# KiCad board servo.kicad_pcb (continued)
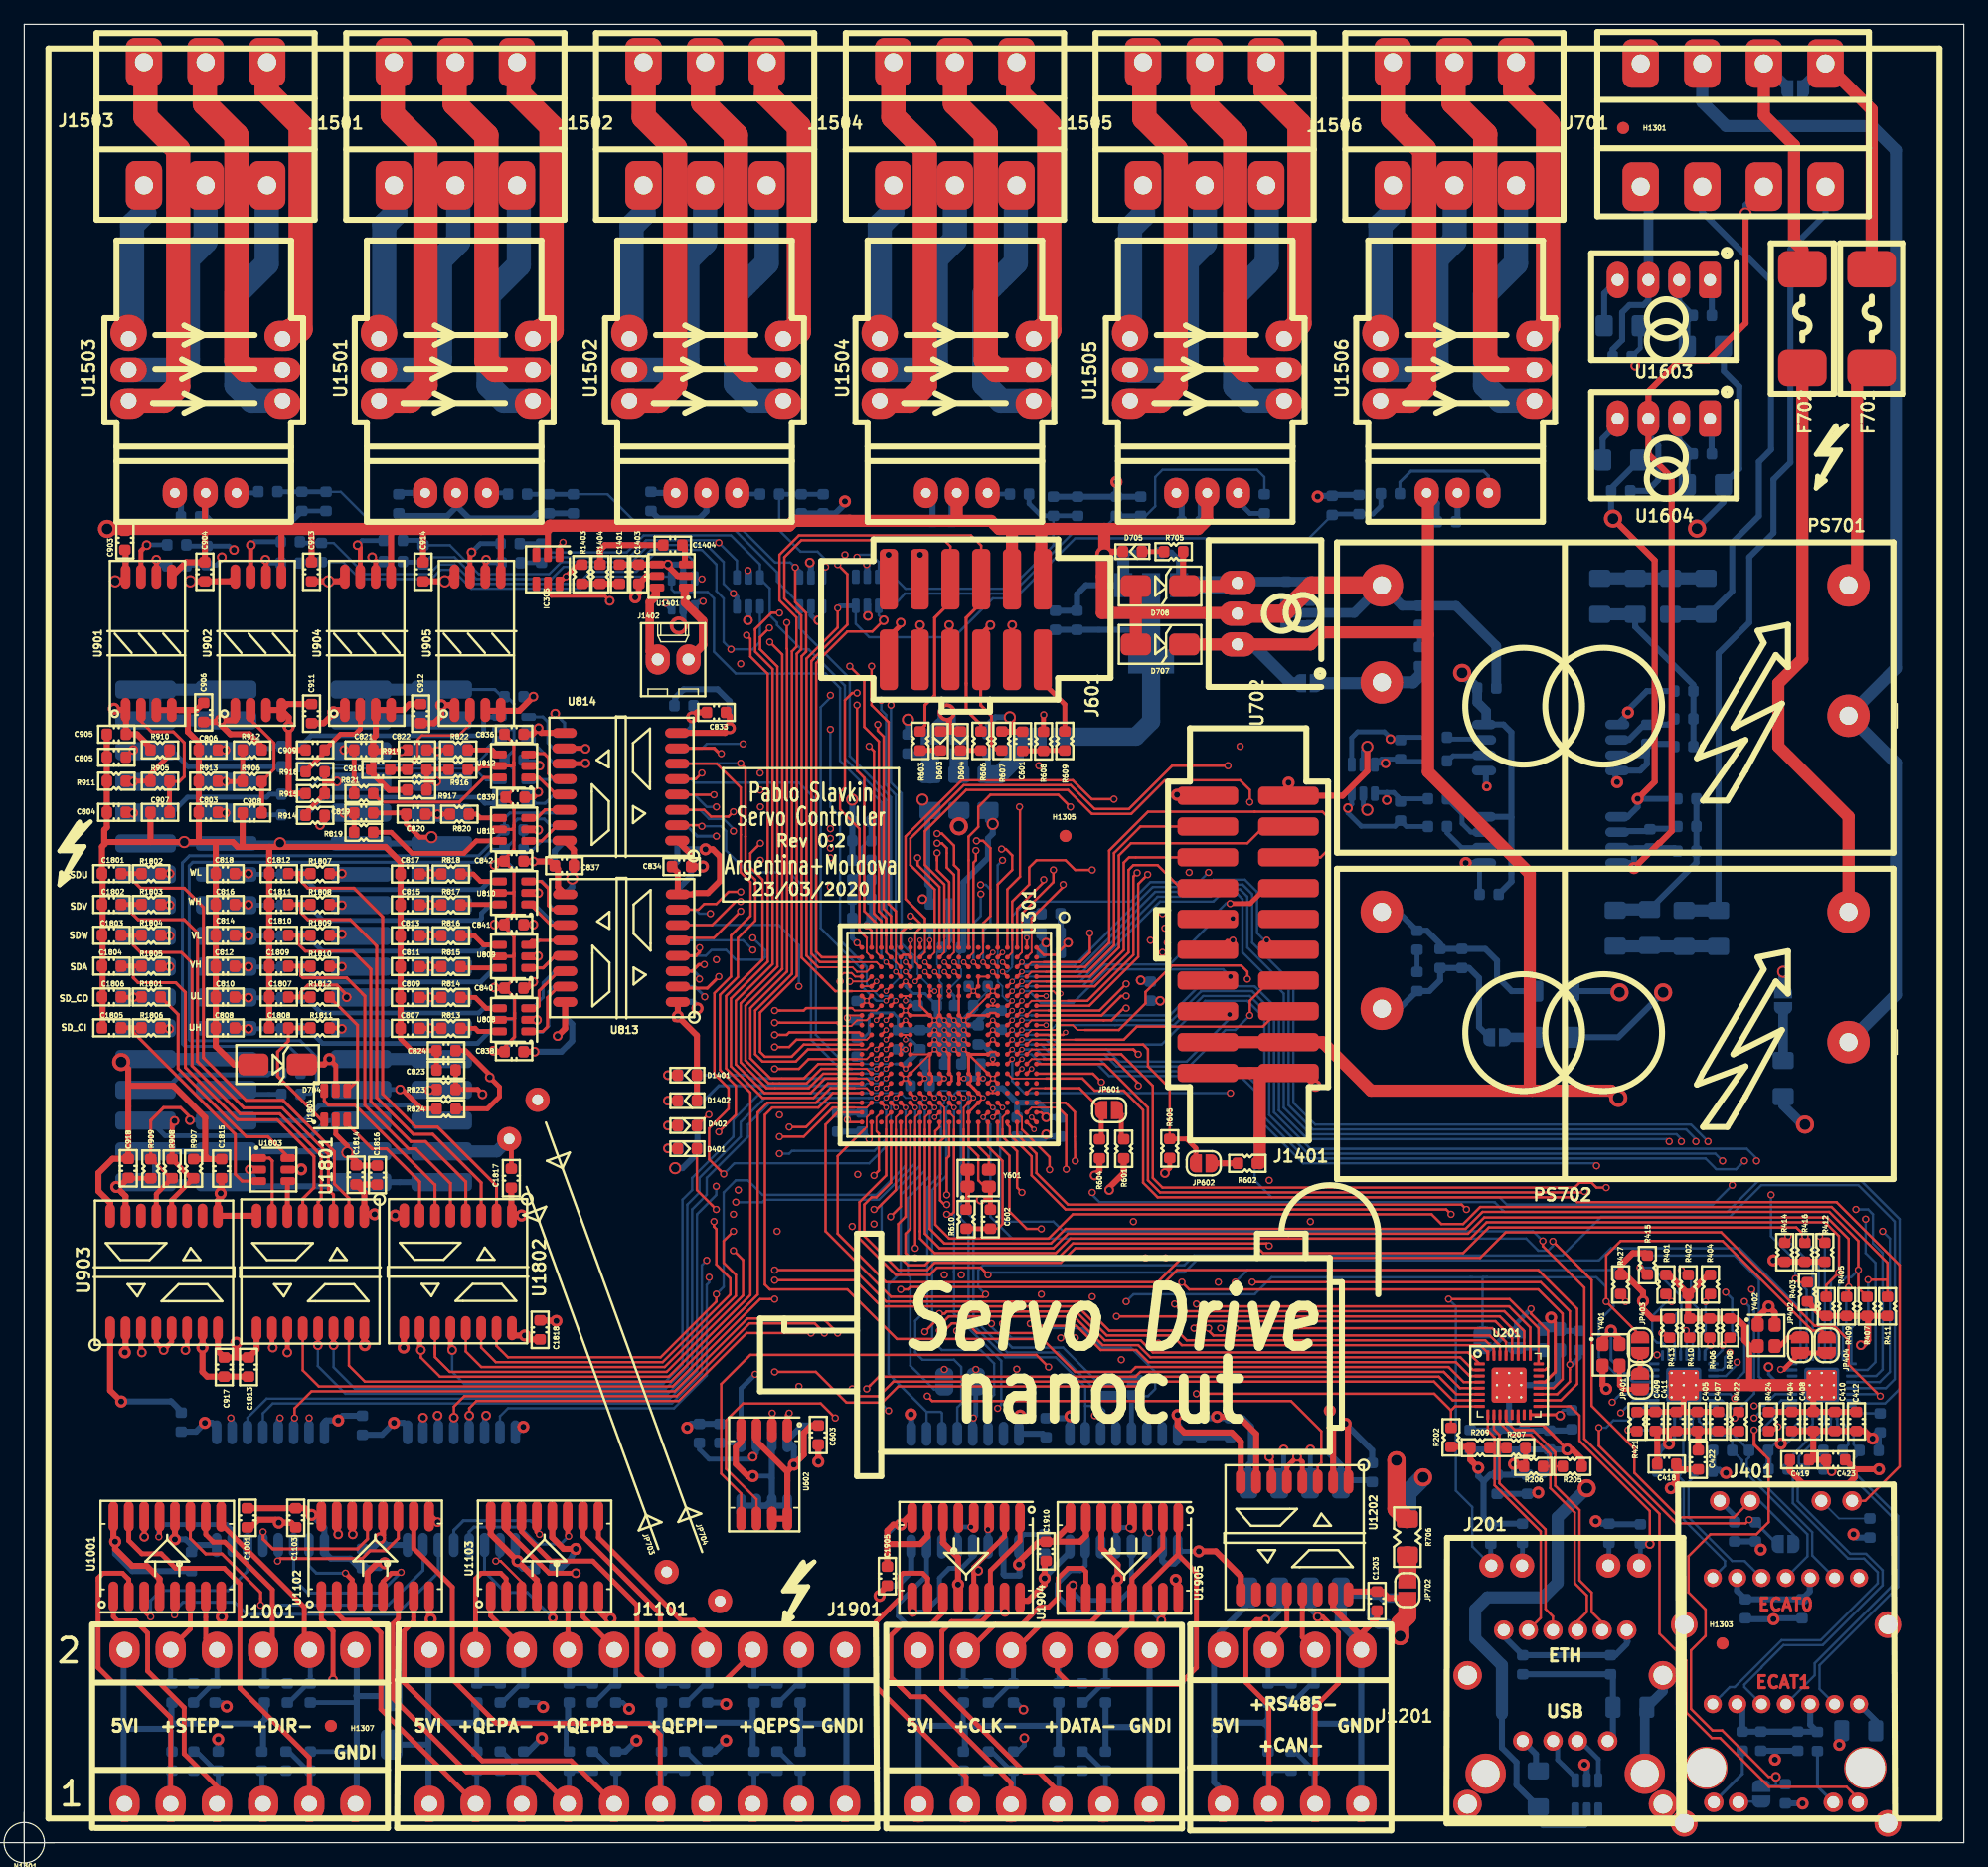
[diagram p0: board, top side]
## Routing (per net, layer and track width the routed paths; a pad name or vN(x,y) marks a point on that pad's centre or on a via; arc(x,y) is an arc through that point) (continued)
  Top w0.25: v5(56.1,72.44) 55.66,72.44 55.1,71.89 U813.3
  In2.Cu w0.152: 67.9,69.84 69.9,69.84 70.7,69.04 73.1,69.04 73.7,69.64 76.7,69.64 78.1,71.04 78.9,71.04 79.1,70.84 80.7,70.84 80.9,70.64 85.22,70.64 85.5,70.36 v2(85.5,70.04)
  In2.Cu w0.2: 67.9,69.84 66.9,69.84 64.53,72.21 56.33,72.21 v5(56.1,72.44)
IGBT2_UL_H: length 2.5
  Top w0.4: C809.2 R814.1
  Bottom w0.152: 34.3,69.72 34.3,69.72 33.64,69.72
  vias: v4(33.5,69.73)
IGBT2_VH: length 46.1
  Top w0.152: 79.1,74.24 79.1,73.44 U301.G2
  Top w0.2: 79.1,74.24 79.1,75.84 79.7,76.44 79.7,82.04 79.1,82.64 v5(78.55,82.64)
  Top w0.25: U813.4 53.94,73.17 55.43,73.17 55.71,73.45 v5(55.71,73.82)
  In2.Cu w0.2: v5(55.71,73.82) 55.71,78.45 58.9,81.64 61.9,81.64 65.3,85.04 75.3,85.04 75.7,85.44 78.1,85.44 78.7,84.84 78.7,83.21 78.55,83.06 v5(78.55,82.64)
IGBT2_VH_H: length 2.5
  Top w0.4: C811.2 R815.1
  Bottom w0.152: J1705.16 34.3,72.26 34.3,72.26
  vias: v4(33.5,72.27)
IGBT2_VL: length 33.7
  Top w0.2: U301.G3 v2(78.3,72.64) ; U813.5 54.14,74.64 56.9,74.64 v5(59.1,76.84)
  Top w0.25: 53.96,74.46 U813.5
  In2.Cu w0.2: v5(78.91,78.26) 77.88,78.26 77.1,79.04 67.7,79.04 66.9,78.24 63.9,78.24 62.5,76.84 v5(59.1,76.84)
  Bottom w0.2: v5(78.91,78.26) 78.9,78.25 78.9,76.44 78.3,75.84 v2(78.3,72.64)
IGBT2_VL_H: length 2.5
  Top w0.4: C813.2 R816.1
  Bottom w0.152: 34.3,74.88 33.72,74.88 J1705.18
  vias: v4(33.5,74.82)
IGBT2_WH: length 41.4
  Top w0.152: U301.B2 83.1,73.44 83.1,75.24
  Top w0.2: v5(59.1,77.64) 58.7,77.64 56.76,75.7 U813.6 ; 83.1,75.24 83.1,76.24 85.7,78.84 v5(85.7,79.04)
  In2.Cu w0.2: v5(59.1,77.64) 62.7,77.64 64.9,79.84 79.3,79.84 80.5,78.64 85.3,78.64 v5(85.7,79.04)
IGBT2_WH_H: length 2.9
  Top w0.4: C815.2 R817.1
  Bottom w0.152: 34.7,77.45 34.6,77.34 J1705.20
  vias: v4(33.5,77.36)
IGBT2_WL: length 38.4
  Top w0.2: U813.7 55.63,76.97 56.1,77.44 57.1,77.44 58.1,78.44 v5(59.1,78.44) ; v5(84.1,79.44) 84.1,79.24 81.9,77.04 U301.C1
  Top w0.25: 53.94,76.95 U813.7
  In2.Cu w0.2: v5(84.1,79.44) 80.7,79.44 79.9,80.24 64.7,80.24 62.9,78.44 v5(59.1,78.44)
IGBT2_WL_H: length 2.5
  Top w0.4: C817.2 R818.1
  Bottom w0.152: J1705.22 33.66,79.91 34.3,79.91
  vias: v4(33.5,79.91)
IGBT_ALARM1: length 59.1
  Top w0.2: v5(76.1,53.44) 76.1,56.44 76.3,56.64 U301.K19
  In2.Cu w0.2: v5(58.9,53.84) 59.9,53.84 60.3,53.44 v5(76.1,53.44)
  In3.Cu w0.2: v5(58.5,83.44) 58.2,83.14 58.2,75.54 59.1,74.64 59.1,54.44 59.08,54.44 58.9,54.26 v5(58.9,53.84)
  Bottom w0.2: v5(58.5,83.44) 58.5,83.64 57.7,84.44 56.5,84.44 55.77,85.17 U802.6
IGBT_ALARM1_H: length 11
  Bottom w0.152: 20.26,63.47 20.22,63.44
  Bottom w0.4: J1704.7 10.82,62.11 11.66,62.11 12.9,63.35 20.09,63.35 20.21,63.47 R811.2
IGBT_ALARM2: length 63.1
  Top w0.2: U301.P17 v2(73.5,60.64)
  Top w0.25: v5(57.5,89.84) 57.36,89.84 56.92,90.28 U814.7
  In3.Cu w0.2: v5(57.5,89.84) 57.5,89.42 57.7,89.22 57.7,75.01 58.7,74.01 58.7,54.71 58.3,54.31 58.3,53.24 v5(58.7,52.84)
  Bottom w0.2: 58.5,52.83 60.89,52.83 61.1,53.04 70.5,53.04 73.5,56.04 v2(73.5,60.64)
IGBT_ALARM2_H: length 6.1
  Top w0.4: R824.1 32.78,60.54 31.18,62.14 v4(31,62.14)
  Bottom w0.4: v4(31,62.14) 28.63,62.14 J1705.7
LCD_AUDIO: length 99.2
  Top w0.2: v5(99.7,76.24) 99.66,76.2 J1401.9 ; v5(69.7,90.44) 70.1,90.04 70.1,76.64 70.7,76.04 U301.U1
  Top w0.25: R1403.1 45.69,105.43 ; v5(44.7,104.44) 44.65,104.44
  Top w0.4: 45.69,105.43 v5(44.7,104.44) ; 44.65,104.44 44.15,103.94
  In2.Cu w0.2: v5(44.7,104.44) 50.3,104.44 51.7,103.04 51.7,102.04 52.14,101.6 54.74,101.6 57.1,99.24 57.1,96.64 63.3,90.44 v5(69.7,90.44) 70.1,90.04 86.1,90.04 86.5,90.44 v5(100.3,90.44)
  In3.Cu w0.2: v5(100.3,90.44) 100.5,90.24 100.5,77.04 v5(99.7,76.24)
LCD_GPIO0: length 20.9
  Top w0.152: 84.1,72.64 83.1,72.64 U301.B3
  Top w0.2: J1401.11 99.22,74.44 v5(99.7,74.44) ; 84.1,72.64 87.1,72.64 87.9,73.44 v5(87.9,75.04)
  In2.Cu w0.2: v5(87.9,75.04) 93.3,75.04 93.5,74.84 98.5,74.84 98.9,74.44 v5(99.7,74.44)
LCD_GPIO1: length 29.1
  Top w0.2: U301.C3 v2(82.3,72.64) ; v5(102.5,74.44) 102.71,74.44 J1401.12
  Bottom w0.2: v2(82.3,72.64) 82.53,72.41 86.67,72.41 93.1,78.84 97.5,78.84 98.1,79.44 100.7,79.44 101.7,78.44 101.7,75.04 102.3,74.44 v5(102.5,74.44)
LCD_GPIO2: length 20.8
  Top w0.2: U301.C6 v2(82.3,70.24) ; v5(99.5,71.44) 98.76,71.44 J1401.13
  Bottom w0.2: v5(99.5,71.44) 98.9,72.04 89.3,72.04 86.5,69.24 83.9,69.24 82.9,70.24 v2(82.3,70.24)
LCD_GPIO3: length 27.1
  Top w0.152: 103.49,71.09 J1401.14
  Top w0.2: U301.D11 v2(81.5,66.24) ; v5(101.1,68.24) 101.1,69.44 102.78,71.12 J1401.14
  Bottom w0.152: 83.1,65.84 81.9,65.84 v2(81.5,66.24)
  Bottom w0.2: v5(101.1,68.24) 99.9,67.04 99.1,67.04 96.1,64.04 90.1,64.04 89.1,65.04 84.7,65.04 83.9,65.84 83.1,65.84
LCD_GPIO4: length 21.4
  Top w0.2: U301.C11 v2(82.3,66.24)
  Top w0.25: v5(99.43,68.31) 99.16,68.58 J1401.15
  Bottom w0.2: v2(82.3,66.24) 84.3,66.24 85.1,65.44 89.3,65.44 90.3,64.44 95.9,64.44 99.43,67.97 v5(99.43,68.31) 99.37,68.31
LCD_GPIO5: length 21.9
  Top w0.152: U301.B11 83.1,66.24 86.69,66.24
  Top w0.2: 86.69,66.24 90.7,66.24 91.78,67.32 102.18,67.32 103.44,68.58 J1401.16
LCD_INT: length 26.9
  Top w0.2: U301.A5 88.3,70.64 91.1,73.44 91.1,80.24 91.5,80.64 93.5,80.64 95.4,78.74 J1401.7
  Top w0.25: 95.4,78.74 J1401.7
LCD_SPI_CLK: length 25.3
  Top w0.152: U301.B4 83.1,71.84 84.3,71.84
  Top w0.2: J1401.3 92.09,83.82 89.9,81.63 89.9,74.04 87.7,71.84 84.3,71.84
LCD_SPI_CS: length 41.2
  Top w0.2: J1401.6 106.94,81.28 107.7,82.04 107.7,84.44 107.1,85.04 101.5,85.04 92.7,85.04 89.5,81.84 89.5,74.24 87.5,72.24 U301.A3
  Top w0.25: 103.55,81.34 J1401.6
LCD_SPI_MISO: length 29.6
  Top w0.2: J1401.4 102.28,83.82 100.9,82.44 91.3,82.44 90.3,81.44 90.3,73.84 87.9,71.44 U301.A4
LCD_SPI_MOSI: length 24.4
  Top w0.152: 84.3,71.04 83.1,71.04 U301.B5
  Top w0.2: J1401.5 91.14,81.28 90.7,80.84 90.7,73.64 88.1,71.04 84.3,71.04
  Top w0.25: 98.4,81.24 J1401.5
LCD_SPI_PDW: length 27.6
  Top w0.2: U301.D6 v2(81.5,70.24)
  Top w0.4: 102.2,78.74 J1401.8 102.4,78.74 101.13,77.47 v5(99.48,77.47)
  Bottom w0.152: 83.1,70.64 81.9,70.64 v2(81.5,70.24)
  Bottom w0.2: v5(99.48,77.47) 99.13,77.47 98.5,76.84 98.5,76.44 94.5,72.44 89.1,72.44 87.3,70.64 83.1,70.64
LEM_A_ALL: length 62.3
  Top w0.2: U301.T6 v2(71.1,69.44)
  In3.Cu w0.152: 66.4,103.84 66.4,94.94 66.69,94.65
  In3.Cu w0.2: v5(66.1,105.24) 66.4,104.94 66.4,94.75 v5(66.5,94.65)
  Bottom w0.152: 65.93,104.36 65.85,104.27
  Bottom w0.2: 62.27,111.3 62.27,108.27 64.04,106.5 65.44,106.5 66.1,105.84 v5(66.1,105.24) ; 66.69,94.65 65.7,93.67 65.7,75.44 69.1,72.04 69.1,70.64 70.3,69.44 v2(71.1,69.44) ; 65.88,111.28 65.9,111.3 ; 64.07,111.3 64.1,111.28
  Bottom w0.4: R1503.2 62.29,111.23 C1502.2 R1504.1 ; v5(66.1,105.24) 65.85,104.99 65.85,104.27
LEM_A_U: length 83.8
  Top w0.2: U301.T5 v2(71.1,70.24)
  Bottom w0.152: v2(71.1,70.24) 72.3,71.44 72.3,73.04 72.1,73.24
  Bottom w0.2: C1509.2 26.11,111.43 28.9,108.64 32.1,108.64 32.5,108.24 58.66,108.24 62.1,104.8 62.1,104.04 63.95,102.19 63.95,100.19 68.1,96.04 68.1,89.64 71.5,86.24 71.5,73.84 72.1,73.24
  Bottom w0.4: R1505.2 20.9,111.43 R1506.1 22.9,111.43 C1509.2
LEM_A_V: length 67.5
  Top w0.152: U301.U5 70.3,70.24 68.3,70.24 ; v5(63.6,105.2) 63.6,104
  Top w0.2: v5(63.6,105.2) 63.6,102.34 64.5,101.44 64.5,98.24 64.13,97.87 64.13,73.01 66.9,70.24 68.3,70.24
  Bottom w0.2: v5(63.6,105.2) 63.2,105.6 61.94,105.6 58.9,108.64 50.7,108.64 48.11,111.23 R1502.1 ; 43.29,111.44 43.3,111.43
  Bottom w0.4: R1502.1 C1501.2 41.5,111.23 R1501.2 ; v5(63.6,105.2) 63.95,104.85 63.95,104.27
LEM_B_ALL: length 88.2
  Top w0.152: 65.5,72.21 68.34,72.21 68.7,71.84 69.5,71.84 U301.V3
  Top w0.2: 65.5,72.21 64.53,73.18 64.53,97.67 67.1,100.24 v5(67.1,101.84)
  Bottom w0.2: 68.6,102.13 68.6,100.55 69.7,99.44 76.7,99.44 79.9,102.64 81.74,102.64 86.7,107.6 105.97,107.6 C1515.2
  Bottom w0.4: C1515.2 107.98,109.6 R1512.1 111.26,109.6 111.91,110.25 R1511.2 ; IC303.3 67.29,102.03 v5(67.1,101.84)
LEM_B_U: length 63.5
  Top w0.152: 69.5,74.64 69.5,73.44 U301.V2
  Top w0.2: v5(68.7,94.84) 68.3,94.84 67.7,94.24 67.7,87.04 67.3,86.64 67.3,85.24 68.9,83.64 68.9,75.24 69.5,74.64
  In3.Cu w0.2: v5(68.7,94.84) v5(68.7,106.04)
  Bottom w0.152: 70.5,104.33 70.5,105.65
  Bottom w0.2: C1513.2 84.9,107.01 81.34,103.44 72.7,103.44 71.82,104.33 70.5,104.33 ; v5(68.7,106.04) 68.9,106.24 69.9,106.24 70.5,105.65 IC303.6
  Bottom w0.4: R1507.2 82.89,110.45 83.89,109.45 C1513.2 R1508.1
LEM_B_V: length 75.8
  Top w0.2: U301.W2 65.8,73.04 65.33,73.51 65.33,97.3 65.5,97.47 65.5,97.51 67.9,99.91 69.97,99.91 v4(70.9,100.84)
  Bottom w0.2: R1509.2 102.3,112.64 101.7,113.24 93.9,113.24 93.3,112.64 93.3,110.24 92.51,109.45 C1514.2 ; v4(70.9,100.84) 70.5,101.25 IC303.1 70.55,101.97 71.7,101.97 72.64,103.04 81.5,103.04 86.7,108.24 88.89,108.24 R1510.1
  Bottom w0.4: C1514.2 R1510.1
NTC1_1_H: length 5.3
  Top w0.4: R911.1 8.98,87.56 v4(9,87.54) 9.03,87.56 R905.2 10.41,88.15 11.99,89.73 R910.2
NTC1_1_N: length 88
  Top w0.152: 71.1,74.84 71.1,73.44 U301.T2
  Top w0.2: v5(68.1,97.04) 69.3,95.84 69.3,92.04 70.5,90.84 70.5,76.84 71.1,76.24 71.1,74.84
  In2.Cu w0.2: v5(68.1,97.04) 67.7,97.44 60.3,97.44 56,101.74 v5(56,102.4) 55.16,103.24 53.1,103.24 50.7,105.64 43.3,105.64 40.7,108.24 17.3,108.24 16.3,107.24 v4(16.3,106.04)
  Bottom w0.4: R902.2 13.42,105.39 C901.1 15.85,105.39 16.3,105.84 v4(16.3,106.04) ; 55.31,102 55.71,102.4 v5(56,102.4)
NTC1_1_P: length 86.1
  Top w0.152: U301.U2 70.3,73.44 70.3,75.84
  Top w0.2: v5(68.7,93.84) 68.7,88.44 69.3,87.84 69.3,76.84 70.3,75.84
  In2.Cu w0.2: v4(17.3,106.64) 17.3,107.44 17.7,107.84 40.1,107.84 42.7,105.24 50.3,105.24 52.9,102.64 v5(52.9,102.24) 54.7,102.24 57.6,99.34 57.6,96.94 60.58,93.96 v5(68.7,93.84)
  Bottom w0.4: R901.2 13.47,106.96 C901.2 16.9,106.96 17.22,106.64 v4(17.3,106.64) ; v5(52.9,102.24) 53.24,101.9 IC301.6
NTC1_2_H: length 4.6
  Top w0.4: R912.2 R906.2 v4(16.6,87.54) 16.58,87.56 R913.1
NTC1_2_N: length 78.1
  Top w0.2: U301.T3 v2(71.1,72.64)
  Bottom w0.2: C902.1 26.3,105.64 27.7,104.24 33.59,104.24 34.35,105 35.34,105 36.9,103.44 45.9,103.44 46.9,104.44 53.16,104.44 53.41,104.2 53.41,103.39 53.63,103.17 56.37,103.17 56.9,102.64 56.9,98.24 58.7,96.44 66.1,96.44 67.3,95.24 67.3,89.24 70.7,85.84 70.7,73.04 v2(71.1,72.64)
  Bottom w0.4: R904.2 22.82,105.64 C902.1
NTC1_2_P: length 90.8
  Top w0.152: 64.91,97.44 65.1,97.64 ; 68.1,72.64 70.3,72.64 U301.U3
  Top w0.2: v5(67.1,105.44) 67.9,104.64 67.9,100.47 65.1,97.67 65.1,97.64 64.93,97.47 64.93,73.34 65.63,72.64 68.1,72.64
  In2.Cu w0.2: v5(67.1,105.44) 65.9,106.64 59.5,106.64 57.1,104.24 v5(55.9,104.24)
  Bottom w0.152: 55.31,104.2 55.35,104.24 v5(55.9,104.24)
  Bottom w0.2: 55.31,104.2 55.31,105.64 54.7,106.24 51.9,106.24 50.5,104.84 46.7,104.84 45.7,103.84 37.1,103.84 35.5,105.44 34.2,105.44 33.4,104.64 28.1,104.64 25.53,107.21 C902.2
  Bottom w0.4: R903.2 22.84,107.21 C902.2
NTC2_1_H: length 6.4
  Top w0.4: R914.2 23.21,84.95 24.79,86.53 R915.1 24.79,87.54 ; 24.79,87.54 v4(25.8,87.54) ; 24.79,87.54 R918.2
  Bottom w0.152: J1705.27 27.5,87.5
NTC2_1_N: length 79.6
  Top w0.2: U301.P3 v2(72.7,72.64)
  In2.Cu w0.2: v5(70.7,94.24) 69.5,95.44 59.9,95.44 58.3,97.04 v5(58.3,98.44)
  Bottom w0.2: 72.5,73.44 71.9,74.04 71.9,86.44 71.1,87.24 71.1,93.04 70.7,93.44 v5(70.7,94.24) ; 72.71,72.65 72.71,73.23 72.5,73.45 ; C915.1 33.49,106.04 35.5,106.04 37.3,104.24 43.5,104.24 44.5,105.24 50.3,105.24 51.7,106.64 55.9,106.64 57.1,105.44 57.1,103.24 57.7,102.64 57.7,99.04 v5(58.3,98.44) 60.1,98.44 60.69,99.03 60.69,102.07
  Bottom w0.4: R921.2 31.28,105.64 32.71,105.64 C915.1
NTC2_1_P: length 74.8
  Top w0.152: U301.R3 71.9,72.64 71.9,75.44
  Top w0.2: 71.9,75.44 71.9,76.84 71.3,77.44 71.3,92.44 69.9,93.84 v5(69.9,97.04)
  In2.Cu w0.2: v5(69.9,97.04) 69.1,97.84 60.5,97.84 58.5,99.84 v5(58.5,103.04)
  Bottom w0.2: C915.2 35.11,107.03 37.5,104.64 43.3,104.64 44.3,105.64 50.1,105.64 51.5,107.04 56.3,107.04 57.7,105.64 57.7,103.84 v5(58.5,103.04)
  Bottom w0.4: R920.2 31.26,107.44 32.49,107.44 C915.2 ; 58.79,102.07 58.79,102.75 v5(58.5,103.04)
NTC2_2_H: length 4.3
  Top w0.25: 33.8,87.74 v4(34,87.54)
  Top w0.4: 34.61,88.54 R919.2 33.19,87.44 ; 33.19,87.44 R917.1 ; 33.19,87.44 33.29,87.54 v4(34,87.54)
NTC2_2_N: length 69.7
  Top w0.2: v2(72.7,71.84) U301.P4
  In2.Cu w0.2: v5(71.5,93.84) 71.5,94.64 70.1,96.04 60.3,96.04 v5(59.1,97.24)
  In3.Cu w0.2: v5(57.3,107.24) 57.3,100.64 59.1,98.84 v5(59.1,97.24)
  Bottom w0.152: 58.79,104.07 58.79,104.27
  Bottom w0.2: v5(71.5,93.84) 71.5,87.44 72.37,86.57 72.37,74.17 73.3,73.24 73.3,72.24 72.9,71.84 v2(72.7,71.84) ; 58.79,104.27 58.79,105.75 v5(57.3,107.24) 57.1,107.44 51.3,107.44 49.9,106.04 43.13,106.04 C916.1
  Bottom w0.4: C916.1 R923.2
NTC2_2_P: length 61
  Top w0.2: v2(71.9,71.84) U301.R4
  Bottom w0.152: 71.9,72.01 v2(71.9,71.84)
  Bottom w0.2: C916.2 43.4,106.44 49.7,106.44 51.1,107.84 58.3,107.84 60.69,105.45 60.69,104.27 61.5,103.46 61.5,101.24 62.1,100.64 62.1,100.44 64.1,98.44 64.7,98.44 67.7,95.44 67.7,89.44 71.1,86.04 71.1,73.44 71.9,72.64 v2(71.9,71.84)
  Bottom w0.4: R922.2 40.88,107.16 C916.2
QEP1_A: length 105.3
  Top w0.2: U301.F2 v2(79.9,73.44)
  In2.Cu w0.2: v5(82.99,42.82) 81.41,41.24 60.5,41.24 56.3,37.04 25.5,37.04 v5(23.5,35.04)
  In3.Cu w0.152: 81.7,74.24 80.7,74.24
  In3.Cu w0.2: v2(79.9,73.44) 79.9,73.84 80.3,74.24 80.5,74.24 ; v5(82.99,42.82) 83.1,42.93 83.1,55.84 85.5,58.24 85.5,64.04 86.7,65.24 86.7,71.04 84.5,73.24 82.9,73.24 81.9,74.24 80.5,74.24 ; 80.5,74.24 80.7,74.24 ; 83.1,42.77 82.99,42.66
  Bottom w0.152: 23.5,34.84 23.5,33.87 23.5,33.86
  Bottom w0.4: v5(23.5,35.04) 23.5,35.03 23.5,33.86
QEP1_B: length 108.7
  Top w0.2: U301.F3 v2(79.1,72.64) ; v5(22.3,35.04) 22.3,35.84 23.7,37.24 53.66,37.24 59.66,43.24 65.9,43.24 v5(67.1,42.04)
  In2.Cu w0.152: 78.47,79.02 v5(78.89,79.02)
  In2.Cu w0.2: v5(66.5,78.84) 67.1,79.44 77.48,79.44 77.88,79.04 78.45,79.04 78.47,79.02
  In3.Cu w0.2: v5(67.1,42.04) 67.3,42.24 67.3,45.84 65.9,47.24 65.9,78.24 v5(66.5,78.84)
  Bottom w0.2: v2(79.1,72.64) 79.1,75.24 79.7,75.84 79.7,78.64 79.32,79.02 v5(78.89,79.02)
  Bottom w0.4: U1101.14 22.22,34.96 v5(22.3,35.04)
QEP1_I: length 93.6
  Top w0.2: v2(75.9,71.84) U301.K4
  In2.Cu w0.2: v5(76.93,42.22) 76.1,43.04 61.67,43.04 56.07,37.44 23.5,37.44 v5(21.1,35.04)
  In3.Cu w0.152: v2(75.9,71.84) 75.9,70.84 75.7,70.64 75.7,69.84 76.5,69.04 77.5,69.04 78.3,68.24 78.3,64.64 77.1,63.44 77.1,60.04
  In3.Cu w0.2: v5(76.93,42.22) 76.93,45.62 76.5,46.04 76.5,49.04 77.1,49.64 77.1,60.04
  Bottom w0.4: U1101.13 20.95,34.89 v5(21.1,35.04)
QEP1_S: length 97.6
  Top w0.2: U301.J4 v2(76.7,71.84)
  In2.Cu w0.2: v5(77.3,46.84) 76.5,47.64 72.1,47.64 71.1,48.64 59.9,48.64 59.3,48.04 v5(56.3,48.04)
  In3.Cu w0.152: v2(76.7,71.84) 76.7,70.5 78.7,68.5 78.7,64.44 77.9,63.64 77.9,60.64
  In3.Cu w0.2: v5(77.3,46.84) 77.7,47.24 77.7,54.44 77.9,54.64 77.9,60.64
  Bottom w0.2: v5(56.3,48.04) 55.9,47.64 55.9,38.71 53.43,36.24 20.5,36.24 19.69,35.42 U1101.12
QEP2_A: length 77.5
  Top w0.2: U301.K3 v2(75.9,72.64)
  In2.Cu w0.2: v5(56.5,46.64) 58.9,46.64 60.5,48.24 70.5,48.24 71.9,46.84 v5(75.9,46.84)
  In3.Cu w0.152: v2(75.9,72.64) 75.5,72.24 75.5,71.24 75.3,71.04 74.7,71.04 73.9,70.24 73.9,64.64 75.1,63.44 75.1,63.04 75.5,62.64 75.5,61.04 75.9,60.64 75.9,60.24
  In3.Cu w0.2: v5(75.9,46.84) 75.9,50.04 75.3,50.64 75.3,58.44 75.9,59.04 75.9,60.24
  Bottom w0.2: U1104.15 39.24,35.18 39.9,35.84 53.6,35.84 56.3,38.54 56.3,46.02 56.5,46.22 v5(56.5,46.64)
QEP2_B: length 94.6
  Top w0.152: 76.7,74.24 76.7,73.44 U301.K2
  Top w0.2: v5(75.3,82.44) 75.7,82.44 76.1,82.04 76.1,80.44 76.7,79.84 76.7,74.24
  In2.Cu w0.2: v5(66.5,82.84) 74.3,82.84 74.7,82.44 v5(75.3,82.44) ; v5(63.9,37.64) 58.7,37.64 56.3,35.24 v4(38.1,35.24)
  In3.Cu w0.2: v5(63.9,37.64) 63.9,42.84 64.7,43.64 64.7,82.24 65.3,82.84 v5(66.5,82.84)
  Bottom w0.4: v4(38.1,35.24) 37.97,35.11 U1104.14
QEP2_I: length 92.3
  Top w0.2: 75.3,81.04 v5(75.3,81.64) ; 75.3,81.04 75.3,81.24 ; 75.3,81.04 75.3,80.24 76.3,79.24 U301.K1 ; v4(36.71,35.24) 36.71,35.85 37.3,36.44 53.99,36.44 59.59,42.04 v5(64.9,42.04)
  In2.Cu w0.2: v5(75.3,81.64) 74.7,81.64 74.04,82.31 67.57,82.31 67.3,82.04 v5(66.5,82.04)
  In3.Cu w0.2: v5(66.5,82.04) 65.3,82.04 65.1,81.84 65.1,42.66 64.9,42.46 v5(64.9,42.04)
  Bottom w0.152: 36.73,34.43 36.73,33.89 U1104.13
  Bottom w0.4: v4(36.71,35.24) 36.7,35.23 U1104.13
QEP2_S: length 93.1
  Top w0.2: v4(35.44,35.07) 35.44,35.98 36.3,36.84 53.83,36.84 59.83,42.84 65.2,42.84 v5(66,42.04) ; v5(73.7,81.24) 73.7,80.64 75.5,78.84 U301.L1
  In2.Cu w0.2: v5(66.5,81.24) 67.3,81.24 67.9,81.84 73.1,81.84 v5(73.7,81.24)
  In3.Cu w0.2: v5(66.5,81.24) 65.9,81.24 65.5,80.84 65.5,47.04 66,46.54 v5(66,42.04)
  Bottom w0.152: U1104.12 35.43,34.97 35.5,35.04
  Bottom w0.4: v4(35.44,35.07) 35.43,35.06 U1104.12
RS485_EN: length 73.9
  Top w0.2: U301.N16 v2(74.3,61.44)
  Top w0.4: U1202.5 104.17,31.01 v4(105,31.84) 105.44,31.41 U1202.4
  In2.Cu w0.152: 105,33.04 105,31.54
  In2.Cu w0.2: v5(71.3,35.64) 71.3,36.24 72.9,37.84 101.9,37.84 105,34.74 105,33.24 ; 105,33.24 105,31.54 ; 105,33.24 105,33.04
  Bottom w0.152: 73.9,60.04 73.9,61.04 v2(74.3,61.44)
  Bottom w0.2: v5(71.3,35.64) 70.73,36.21 70.73,52.67 73.9,55.84 73.9,60.04
RS485_RX: length 61.9
  Top w0.2: U301.P19 73.1,50.64 72.7,50.24 72.7,48.64 73.1,48.24 v5(73.5,48.24) ; v5(74.5,36.84) 74.9,36.44 104.5,36.44 107,33.94 107,31.34 106.71,31.05 U1202.3
  In3.Cu w0.2: 73.5,41.44 73.5,38.26 74.5,37.26 v5(74.5,36.84) ; 73.5,41.44 73.5,41.64 ; 73.5,41.44 v5(73.5,48.24)
RS485_TX: length 63.5
  Top w0.152: U301.P18 72.7,59.84 72.7,58.84
  Top w0.2: 72.7,58.84 72.7,51.64 72.1,51.04 72.1,48.44 72.9,47.64 74.3,47.64 74.9,48.24 85.3,48.24 86.5,49.44 102.5,49.44 v5(102.7,49.24)
  Top w0.4: v4(102.7,31.84) 102.9,31.44 U1202.6
  In3.Cu w0.2: v4(102.7,31.84) v5(102.7,49.24)
RUN_LED0: length 15.4
  Top w0.2: v2(70.3,63.04) U301.U14
  Bottom w0.25: v2(70.3,63.04) 59.9,63.04 59.62,63.32 R1401.2
RUN_LED1: length 16.9
  Top w0.2: v2(71.1,63.04) U301.T14
  Bottom w0.152: 69.3,62.44 69.5,62.64 70.7,62.64 v2(71.1,63.04)
  Bottom w0.25: 69.3,62.44 57.3,62.44 56.07,61.21 R1402.2
SCIA_RX: length 88.4
  Top w0.152: 68.1,65.44 69.5,65.44 U301.V11
  Top w0.2: 78.94,104.42 78.94,102.88 ; 68.1,65.44 64.64,65.44 63.64,64.44 60.9,64.44 60.3,65.04 60.3,68.64 63.33,71.67 63.33,98.27 63.7,98.64 63.7,101.07 62.3,102.47 62.3,106.24 63.9,107.84 78.1,107.84 78.94,107 78.94,104.42 ; 77.7,95.64 77.7,95.44
  Top w0.25: J601.8 78.94,102.28 77.7,101.04 77.7,93.44 78.92,92.23 R606.1
SCIA_TX: length 82.5
  Top w0.2: U301.W11 64.3,65.84 63.3,64.84 61.1,64.84 60.7,65.24 60.7,68.47 63.73,71.5 63.73,98.07 64.1,98.44 64.1,101.24 62.7,102.64 62.7,106.04 64.1,107.44 75.9,107.44 76.4,106.94 76.4,104.42 ; 76.4,104.42 76.4,103.14
  Top w0.25: 76.4,103.14 76.4,102.34 75.1,101.04 75.1,94.64 74.3,93.84 74.3,92.18 73.9,91.78
SD1_A: length 69.6
  Top w0.2: v5(61.9,44.84) 60.7,44.84 53.5,37.64 24.3,37.64 22.98,38.96 U1801.12 ; v5(63.1,59.04) 64.5,59.04 66.5,61.04 U301.W17
  In3.Cu w0.2: v5(63.1,59.04) 61.88,59.04 61.5,58.66 61.5,55.17 63.3,53.37 63.3,46.24 v5(61.9,44.84)
SD1_A_H: length 0.8
  Top w0.4: R1805.2 11.96,72.31 v4(12,72.26)
SD1_U: length 65.7
  Top w0.152: 68.5,62.24 69.5,62.24 U301.V16
  Top w0.2: U1801.15 26.79,39.35 28.1,38.04 53.33,38.04 60.5,45.21 60.5,60.24 61.3,61.04 65.3,61.04 66.5,62.24 68.5,62.24
SD1_U_H: length 0.7
  Top w0.4: R1802.2 v4(12,79.94)
SD1_V: length 69.3
  Top w0.152: 25.5,41.44 25.52,41.42 U1801.14
  Top w0.2: U301.U16 v2(70.3,61.44)
  Top w0.4: U1801.14 25.52,41.24 25.52,41.24
  Bottom w0.2: v2(70.3,61.44) 69.67,61.44 61.1,61.44 59.1,59.44 59.1,58.24 55.7,54.84 55.7,53.64 54.7,52.64 54.7,39.24 52.9,37.44 27.3,37.44 25.52,39.22 v4(25.52,41.04)
SD1_V_H: length 0.8
  Top w0.4: R1803.2 11.95,77.4 v4(12,77.34)
SD1_W: length 70.8
  Top w0.2: U301.T16 v2(71.1,61.44) ; v4(24.22,41.04) 24.22,42.39 U1801.13
  Top w0.25: 24.3,42.36 U1801.13
  Bottom w0.152: 66.3,61.04 70.7,61.04 v2(71.1,61.44)
  Bottom w0.2: 66.3,61.04 62.27,61.04 61.5,61.04 59.7,59.24 59.7,58.24 56.3,54.84 56.3,53.44 55.1,52.24 55.1,39.04 53.1,37.04 26.5,37.04 24.22,39.32 v4(24.22,41.04)
SD1_W_H: length 0.8
  Top w0.4: R1804.2 11.3,74.8 v4(12,74.8)
SD2_A: length 62.4
  Top w0.2: U301.P16 v2(73.5,61.44)
  Top w0.25: 35.1,42.39 U1802.12
  Top w0.4: v4(35.3,40.64) 35.15,40.79 U1802.12
  Bottom w0.152: v2(73.5,61.44) 72.7,61.44 72.3,61.84 69.5,61.84
  Bottom w0.2: 69.5,61.84 66.5,61.84 60.7,61.84 58.5,59.64 58.5,58.24 55.1,54.84 55.1,53.84 54.3,53.04 54.3,39.44 52.7,37.84 36.3,37.84 35.3,38.84 v4(35.3,40.64)
SD2_A_H: length 1
  Top w0.4: v4(26.2,72.26) 26.16,72.3 R1810.2
SD2_U: length 53.4
  Top w0.2: U301.R17 v2(72.7,60.64) ; U1802.15 38.96,40.98 39.9,40.04 52.5,40.04 57.1,44.64 57.1,45.24 v5(57.09,45.25)
  Bottom w0.2: v2(72.7,60.64) 72.7,55.84 70.3,53.44 60.9,53.44 59.7,54.64 58.7,54.64 57.7,53.64 57.7,45.85 v5(57.09,45.25)
SD2_U_H: length 1
  Top w0.4: R1807.2 v4(26.2,79.94)
SD2_V: length 54.2
  Top w0.152: U301.R18 71.9,59.84 71.9,58.84
  Top w0.2: 71.9,58.84 71.9,53.84 70.3,52.24 v5(70.1,52.24) ; v5(56.9,51.24) 56.9,50.82 57.1,50.62 57.1,47.7 58.25,46.55 58.25,45.22 52.67,39.64 38.9,39.64 37.69,40.85 U1802.14
  In2.Cu w0.2: v5(56.9,51.24) 56.97,51.17 59.23,51.17 59.7,51.64 64.9,51.64 65.5,52.24 v5(70.1,52.24)
SD2_V_H: length 1.3
  Top w0.4: v4(26.2,77.34) 26.15,77.39 R1808.2
  Bottom w0.152: J1705.19 28.31,77.34 28.3,77.33
SD2_W: length 54.8
  Top w0.2: U1802.13 36.42,40.52 37.7,39.24 52.83,39.24 58.7,45.11 58.7,46.84 57.7,47.84 57.7,49.64 v5(58.5,50.44) ; U301.R19 72.3,52.47 v5(71.47,51.64)
  In2.Cu w0.2: v5(58.5,50.44) 58.7,50.64 59.5,50.64 60.1,51.24 65.1,51.24 65.5,51.64 v5(71.47,51.64)
SD2_W_H: length 1.1
  Top w0.4: R1809.2 26.11,74.85 v4(26.2,74.94)
  Bottom w0.152: J1705.17 28.54,74.75
SD_CLK_IN1: length 101.8
  Top w0.2: v2(80.7,73.44) U301.E2
  Top w0.4: v4(21.7,40.44) 21.71,40.45 U1801.11
  In2.Cu w0.152: 70.3,70.24 70.9,70.84 71.7,70.84 72.3,70.24 73.9,70.24 74.7,71.04 77.3,71.04 77.7,71.44 79.3,71.44 79.5,71.24 80.9,71.24 81.5,71.84 81.5,72.64 v2(80.7,73.44)
  In2.Cu w0.2: v5(57.1,72.84) 64.5,72.84 67.1,70.24 70.3,70.24
  In3.Cu w0.2: v4(21.7,40.44) 24.3,37.84 54.3,37.84 55.5,39.04 55.5,48.44 56.3,49.24 56.3,55.84 57.9,57.44 57.9,72.04 v5(57.1,72.84)
SD_CLK_IN1_H: length 0.8
  Top w0.4: R1806.2 11.9,67.22 v4(11.98,67.14)
SD_CLK_IN2: length 61.9
  Top w0.152: U301.N18 73.5,59.84 73.5,58.84
  Top w0.2: 33.88,40.84 U1802.11 ; 33.88,40.84 33.88,40.26 ; 33.88,40.84 33.88,40.06 35.1,38.84 53,38.84 59.3,45.14 59.3,48.07 58.53,48.84 ; 73.5,58.84 v5(73.5,49.04)
  In2.Cu w0.2: 58.53,48.84 58.73,49.04 v5(73.5,49.04)
  vias: v5(58.5,48.84)
SD_CLK_IN2_H: length 2.2
  Top w0.152: 24.99,67.18 24.97,67.21
  Top w0.4: R1811.2 26.13,67.21 v4(26.2,67.14)
  Bottom w0.152: 27.5,67.04 27.64,67.18 J1705.11
SD_CLK_OUT: length 124.2
  Top w0.2: v5(60.73,82.44) 59.9,81.61 59.9,80.44 60.9,79.44 60.9,72.84 57.9,69.84 57.9,63.87 59.9,61.87 59.9,45.18 53.16,38.44 34.3,38.44 32.72,40.02 v4(32.72,40.64) ; U301.E1 80.3,79.04 81.5,80.24 81.5,81.44 80.98,81.96 v5(80.62,81.96)
  Top w0.4: U1801.10 20.44,40.9 v4(20.5,40.84) ; U1802.10 32.61,40.75 v4(32.72,40.64)
  In2.Cu w0.2: v5(60.73,82.44) 61.9,82.44 66.3,86.84 78.5,86.84 81.1,84.24 81.1,82.44 v5(80.62,81.96)
  In3.Cu w0.4: v4(20.5,40.84) 20.5,41.04 20.9,41.44 22.3,41.44 24.4,39.34 32.2,39.34 32.72,39.86 v4(32.72,40.64)
SD_CLK_OUT1_H: length 4.7
  Top w0.4: R1801.2 9.02,69.76 v4(9,69.74) ; C1806.1 8.01,69.74 v4(9,69.74) ; 8.98,69.76 v4(9,69.74)
  Bottom w0.152: 7.9,69.84 8.02,69.72 10.81,69.72
SD_CLK_OUT2_H: length 10
  Top w0.25: 22.9,69.75 22.82,69.84 22.82,70.15 23.4,70.74 25.8,70.74 26.6,69.94 v4(26.6,69.74)
  Top w0.4: C1807.1 R1812.2
  Bottom w0.152: 25.5,69.98 25.75,69.72 28.59,69.72 28.57,69.74
STEP1: length 84.8
  Top w0.2: v2(83.3,58.84) U301.B19
  In2.Cu w0.2: v2(83.3,58.84) 80.3,55.84 66.7,55.84 66.1,55.24 58.66,55.24 57.57,54.14 v5(57.09,54.14)
  Bottom w0.2: v5(57.09,54.14) 57.09,53.43 55.5,51.84 55.5,38.87 53.27,36.64 20,36.64 18.42,35.06 18.42,33.86
STEP1_H: length 14.3
  Top w0.25: 10,19.94 U1001.3 9.89,19.05 10.3,18.64 v5(10.43,18.64)
  Bottom w0.25: 18.42,24.56 18.42,22.41 16.8,20.8 11.26,20.8 10.43,19.97 v5(10.43,18.64)
STEP2: length 77.7
  Top w0.152: U301.B18 83.1,60.64 85.3,60.64
  Top w0.2: v5(85.96,55.56) 85.96,59.98 85.32,60.63
  In2.Cu w0.2: v4(34.1,35.24) 35.1,36.24 56.7,36.24 60.9,40.44 84.3,40.44 v5(85.5,41.64)
  In3.Cu w0.2: v5(85.5,41.64) 85.9,42.04 85.9,55.5 v5(85.96,55.56)
  Bottom w0.4: v4(34.1,35.24) 34.16,35.18 U1104.11
STEP2_H: length 27.8
  Top w0.25: v5(12.4,18.8) 12.44,18.84 U1001.5 12.4,20.01
  Bottom w0.25: v5(12.4,18.8) 12.4,19.14 13.1,19.84 17.36,19.84 18.36,18.84 30.7,18.84 34.16,22.3 U1104.6
USB_D+: length 93.6
  Top w0.2: U301.C19 81.9,58.44 83.5,56.84 83.5,55.24 86.1,52.64 118.57,52.64 v5(118.97,52.24)
  In3.Cu w0.2: J201.3 126.52,10.01 126.52,10.39 118.7,18.21 118.7,51.54 118.97,51.82 v5(118.97,52.24)
  Bottom w0.4: J201.3 128.35,8.4 129.85,6.89 129.85,5.04
USB_D-: length 92.2
  Top w0.2: U301.D19 81.1,59.24 81.3,59.04 81.3,58.42 83.1,56.62 83.1,55.04 85.9,52.24 117.3,52.24 v5(117.7,51.84)
  In3.Cu w0.2: J201.2 126.12,10.22 118.27,18.07 118.27,51.27 v5(117.7,51.84)
  Bottom w0.4: J201.2 126.5,8.01 126.5,6.84 127.96,5.39 127.96,5.04
